# KiCad board Duet3_MB_6HC.kicad_pcb (continued)
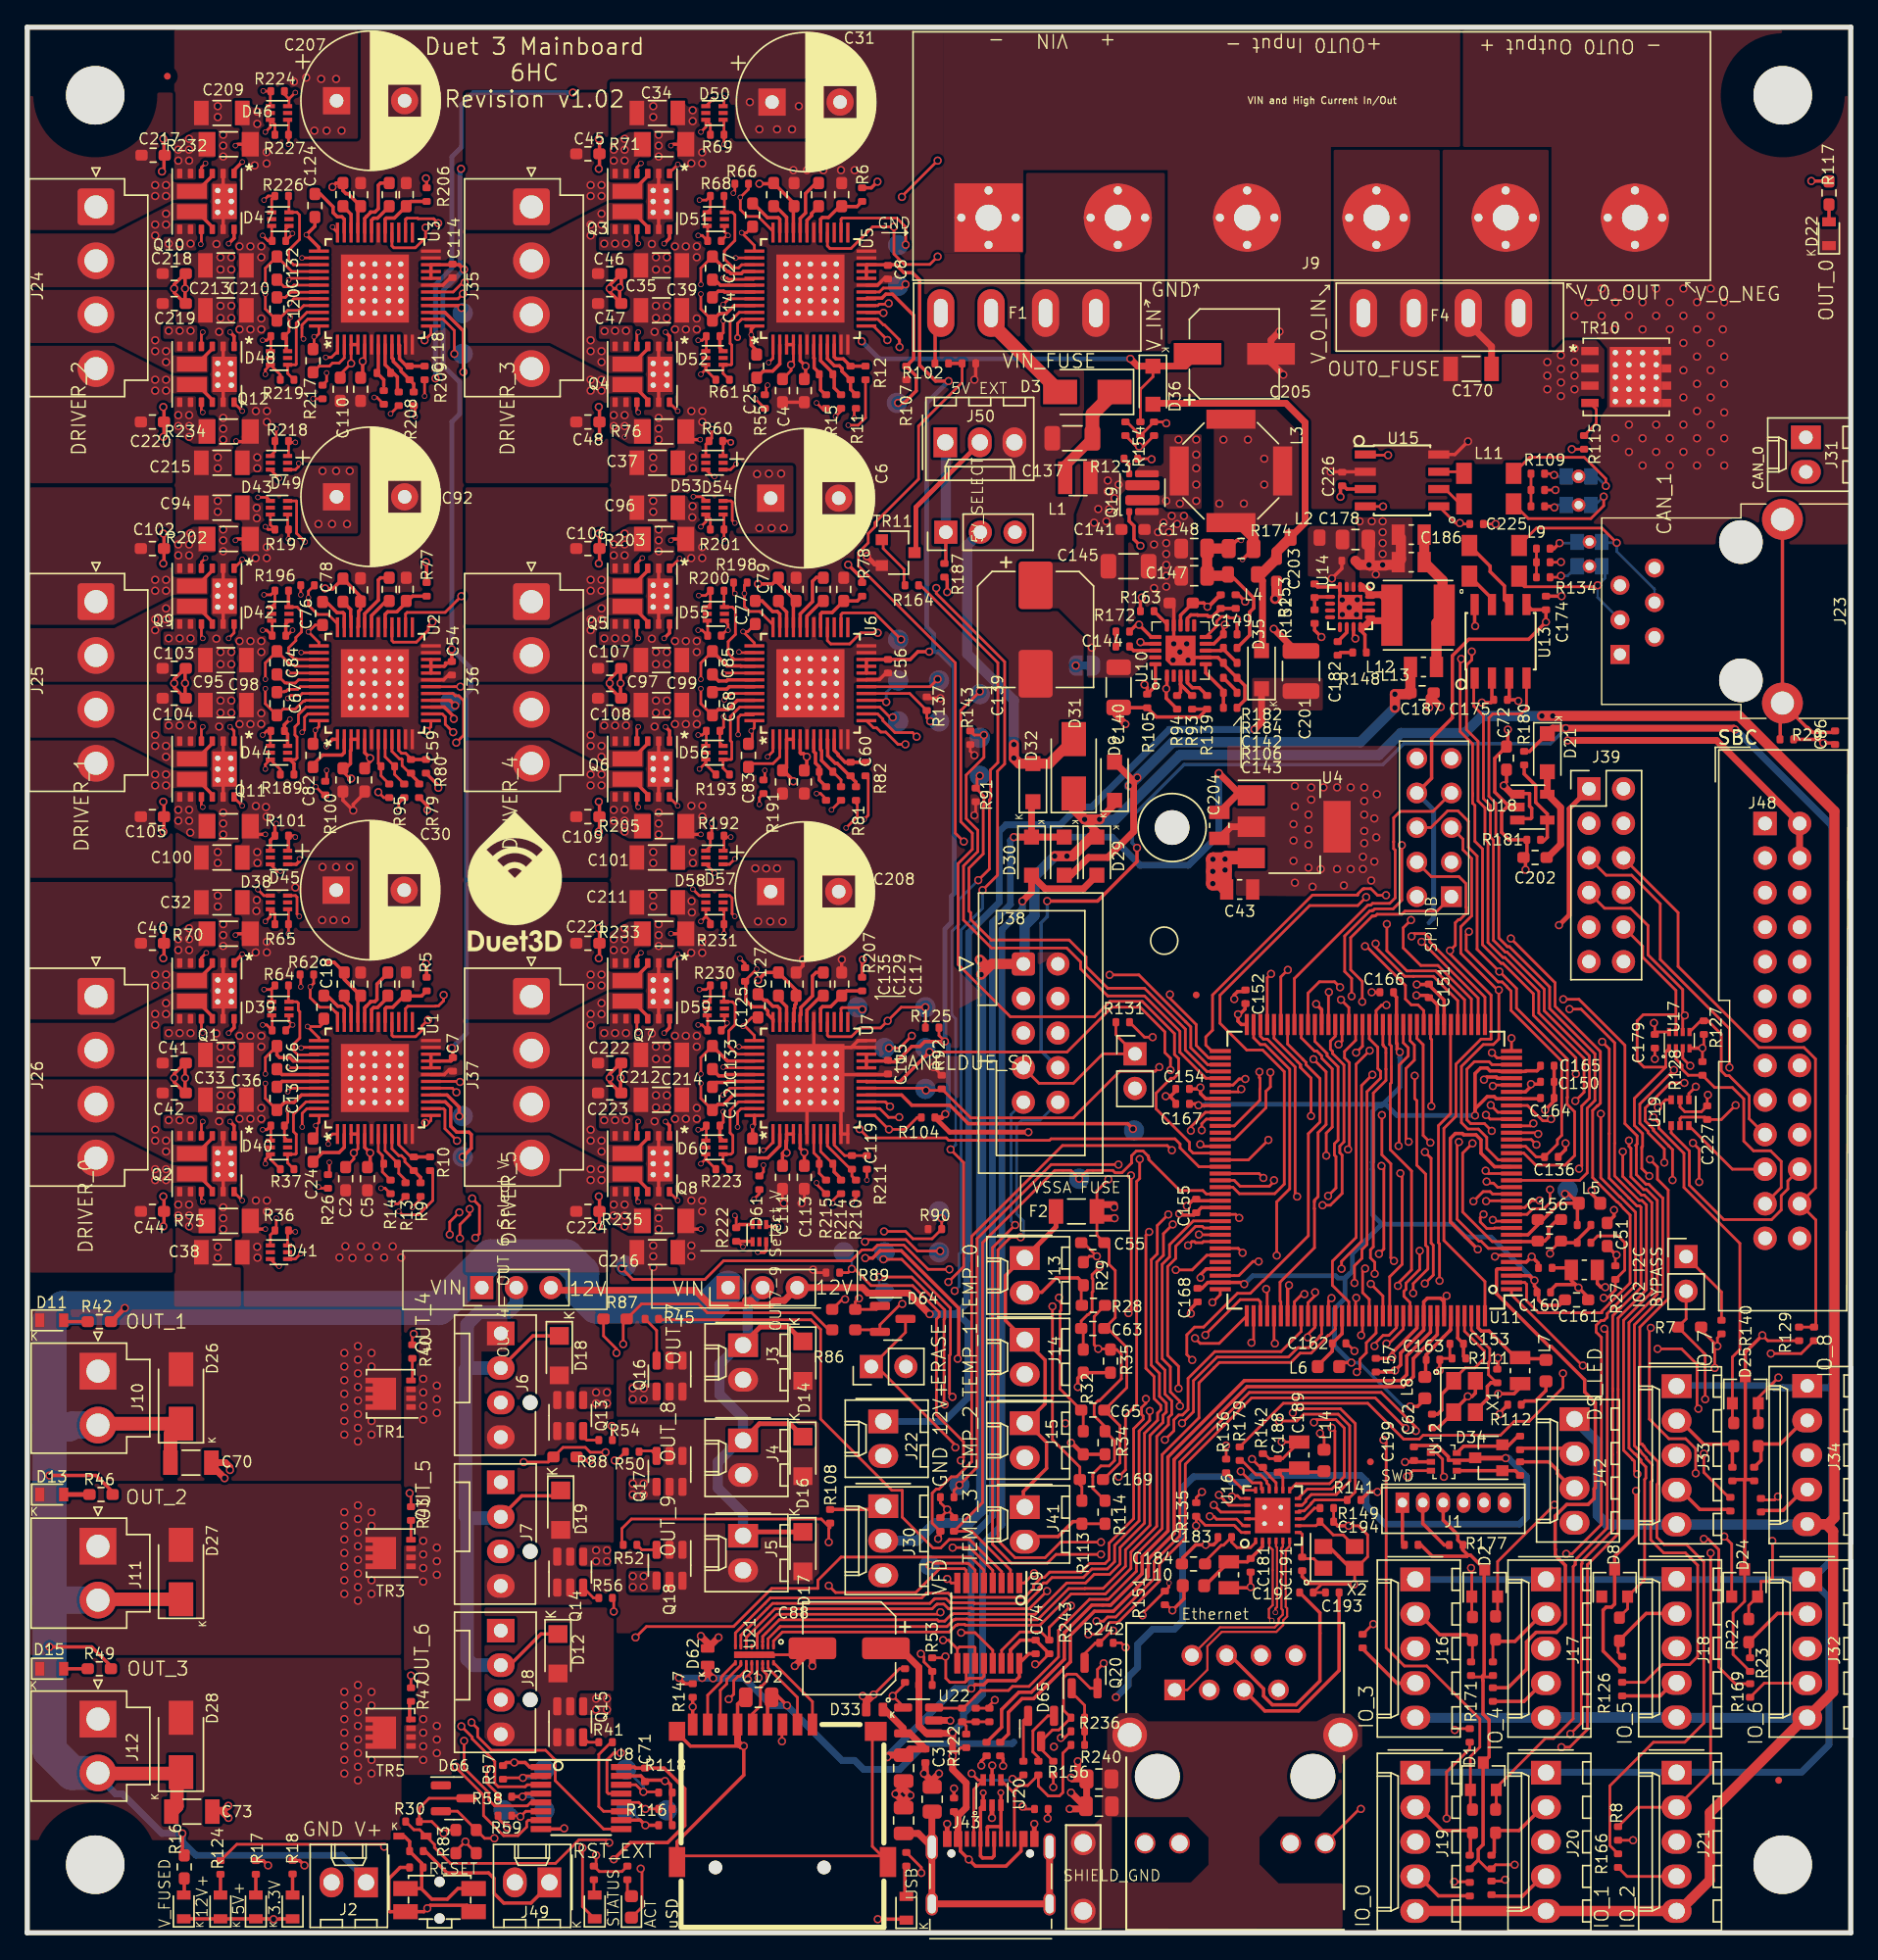
[diagram p0: board, top side]
## Library data of the parts (continued)
U22 = -: Part Number: AP22816AKEWT or AP2151WG-7 if APP22816KEWT unavailable
X1 = -: Part Number: ECS-120-10-33B-CKM-TR, FL1200112TR-ND
X2 = -: Part Number: or TSX-3225 25.0000MF10P-C0 (note requires different caps if changed)

## Footprints (pads in the part's own frame, mm; a bottom-side part is the same pattern mirrored in y, then rotated)
2.8mm_Spade_terminal
  round 1.8 hole 1.3: 1(0,2.5) 1(0,-2.5)
C_0402_1005Metric_Wbry
  rrect 0.5x0.6 smd: 1(-0.5,0) 2(0.5,0)
C_0603_1608Metric_Wbry
  rrect 0.9x0.8 smd: 1(-0.85,0) 2(0.85,0)
C_0805_2012Metric
  rrect 1x1.45 smd: 1(-0.95,0) 2(0.95,0)
C_0805_2012Metric#2
  rect 0.97x1.5 smd: 1(-0.955,0) 2(0.955,0)
C_1206_3216Metric
  rect 1.07x1.8 smd: 1(-1.505,0) 2(1.505,0)
C_1206_3216Metric#2
  rrect 1.15x1.8 smd: 1(-1.475,0) 2(1.475,0)
C_1210_3225Metric
  rrect 1.15x2.7 smd: 1(-1.475,0) 2(1.475,0)
CP_Elec_6.3x7.7
  rect 3.5x1.6 smd: 1(-2.7,0) 2(2.7,0)
CP_Elec_6.3x7.7#2
  rrect 3.5x1.6 smd: 1(-2.7,0) 2(2.7,0)
CP_Elec_8x10
  rrect 3.5x2.5 smd: 1(-3.25,0) 2(3.25,0)
CP_Radial_D10.0mm_P5.00mm
  rect 2x2 hole 1: 1(0,0)
  round 2 hole 1: 2(5,0)
Crystal_SMD_ECS-33B-4Pin_3.2x2.5mm
  rect 1.3x1.1 smd: 1(-1.15,-0.8) 2(1.15,-0.8) 3(1.15,0.8) 4(-1.15,0.8)
D_SMA
  rect 2.5x1.8 smd: 1(-2,0) 2(2,0)
D_SOD-123F
  rect 1.1x1.1 smd: 1(-1.4,0) 2(1.4,0)
DFN1610-2L
  rrect 0.625x1 smd: 1(-0.613,0) 2(0.613,0)
Diodes_PowerDI3333-8
  rrect 0.6x1 smd: (0.02,0.565) (0.02,-0.565) (0.73,0.565) (0.73,-0.565)
  rrect 0.7x0.42 smd: (1.5,0.975) (1.5,0.325) (1.5,-0.325) (1.5,-0.975) 1(-1.5,0.975) 2(-1.5,0.325) 3(-1.5,-0.325) 4(-1.5,-0.975)
  custom 2.25x2.37 smd: 5(0.455,0)
DMHT6016LFJ-13
  rrect 0.4x0.7 smd: 1(-2,-2.05) 2(-1.2,-2.05) 3(-0.4,-2.05) 4(0.4,-2.05) 5(1.2,-2.05) 6(2,-2.05) 7(2,2.05) 8(1.2,2.05) 9(0.4,2.05) 10(-0.4,2.05) 11(-1.2,2.05) 12(-2,2.05)
  rect 0.925x0.9 smd: 13(0.55,-0.75) 15(0.55,0.75)
  rect 2.2x1.1 smd: 13(1.1,-0.75) 15(1.1,0.75)
  rect 0.935x0.9 smd: 13(1.65,-0.75) 15(1.65,0.75)
  round 0.6 hole 0.4: 14(-1.8,0.8) 14(-1.8,0) 14(-1.75,-0.8) 14(-0.8,0.8) 14(-0.8,0) 14(-0.8,-0.8)
  rect 0.7x1.1 smd: 14(-1.75,0.65) 14(-1.75,-0.65) 14(-0.85,0.65) 14(-0.85,-0.65)
  rect 1.8x2.6 smd: 14(-1.3,0)
DO-219AB
  rect 1.3x1.4 smd: 1(-1.45,0) 2(1.45,0)
Fairchild_DualPower33-6_3x3mm
  rrect 0.35x0.35 smd: (-1.39,0.975) (-1.39,0.325) (-1.39,-0.325) (-1.39,-0.975) (1.39,0.975) (1.39,0.325) (1.39,-0.325) (1.39,-0.975)
  rrect 0.65x0.8 smd: (-0.55,0.5) (-0.55,-0.5) (0.55,0.5) (0.55,-0.5)
  rrect 0.52x0.45 smd: 1(-1.39,0.975) 4(1.39,0.975)
  rrect 0.52x1.75 smd: 2(-1.39,-0.325) 3(1.39,-0.325)
  rrect 0.75x2.52 smd: 5(-0.55,0) 6(0.55,0)
FanPinHeader_1x04_P2.54mm_Vertical
  round 1.1 hole 1.1 unplated: (5.08,2.16)
  rect 1.73x2.03 hole 1.02: 1(0,0)
  oval 1.73x2.03 hole 1.02: 2(2.54,0) 3(5.08,0) 4(7.62,0)
Fiducial_0.5mm_Mask1.5mm
  round 0.5 smd: (0,0)
Fuse_1206_3216Metric
  rect 1.07x1.8 smd: 1(-1.505,0) 2(1.505,0)
IDC-Header_2x05_P2.54mm_Vertical
  rrect 1.7x1.7 hole 1: 1(0,0)
  round 1.7 hole 1: 2(2.54,0) 3(0,-2.54) 4(2.54,-2.54) 5(0,-5.08) 6(2.54,-5.08) 7(0,-7.62) 8(2.54,-7.62) 9(0,-10.16) 10(2.54,-10.16)
IDC-Header_2x13_P2.54mm_Vertical
  rect 1.727x1.727 hole 1.016: 1(0,0)
  oval 1.727x1.727 hole 1.016: 2(2.54,0) 3(0,-2.54) 4(2.54,-2.54) 5(0,-5.08) 6(2.54,-5.08) 7(0,-7.62) 8(2.54,-7.62) 9(0,-10.16) 10(2.54,-10.16) 11(0,-12.7) 12(2.54,-12.7) 13(0,-15.24) 14(2.54,-15.24) 15(0,-17.78) 16(2.54,-17.78) 17(0,-20.32) 18(2.54,-20.32) 19(0,-22.86) 20(2.54,-22.86) 21(0,-25.4) 22(2.54,-25.4) 23(0,-27.94) 24(2.54,-27.94) 25(0,-30.48) 26(2.54,-30.48)
JST_VH_B2P-VH-B_1x02_P3.96mm_Vertical
  rect 2.7x2.7 hole 1.7: 1(0,0)
  round 2.7 hole 1.7: 2(3.96,0)
JST_VH_B4P-VH_1x04_P3.96mm_Vertical
  rrect 2.7x2.7 hole 1.7: 1(0,0)
  round 2.7 hole 1.7: 2(3.96,0) 3(7.92,0) 4(11.88,0)
JST_ZH_1x06_P1.5_B6B-ZR-SM4-TF
  rect 1x1.5 hole 0.7: 1(3.75,0)
  oval 1x1.5 hole 0.7: 2(2.25,0) 3(0.75,0) 4(-0.75,0) 5(-2.25,0) 6(-3.75,0)
KSZ8081RNA _QFN-24-1EP_4x4mm_P0.5mm_EP2.6x2.6mm
  rect 1x1 smd: (-0.6,0.6) (-0.6,-0.6) (0.6,0.6) (0.6,-0.6)
  rect 0.48x0.23 smd: 1(-1.86,1.25) 2(-1.86,0.75) 3(-1.86,0.25) 4(-1.86,-0.25) 5(-1.86,-0.75) 6(-1.86,-1.25) 13(1.86,-1.25) 14(1.86,-0.75) 15(1.86,-0.25) 16(1.86,0.25) 17(1.86,0.75) 18(1.86,1.25)
  rect 0.23x0.48 smd: 7(-1.25,-1.86) 8(-0.75,-1.86) 9(-0.25,-1.86) 10(0.25,-1.86) 11(0.75,-1.86) 12(1.25,-1.86) 19(1.25,1.86) 20(0.75,1.86) 21(0.25,1.86) 22(-0.25,1.86) 23(-0.75,1.86) 24(-1.25,1.86)
  round 0.6 hole 0.35: 25(-0.6,0.6) 25(-0.6,-0.6) 25(0.6,0.6) 25(0.6,-0.6)
  rect 2.6x2.6 smd: 25(0,0)
L_0603_1608Metric
  rrect 0.875x0.95 smd: 1(-0.787,0) 2(0.787,0)
L_0805_2012Metric
  rrect 0.875x1.2 smd: 1(-1.062,0) 2(1.062,0)
L_0805_2012Metric#2
  rect 0.97x1.5 smd: 1(-0.955,0) 2(0.955,0)
L_1008_2512Metric
  rect 1.05x2.4 smd: 1(-0.925,0) 2(0.925,0)
L_Wuerth_7440405xxxx
  rect 1.55x4.5 smd: 1(-1.925,0) 2(1.925,0)
L_Wuerth_WE-TPC-744071220
  rect 1.4x3.6 smd: 1(-3.8,0) 1(3.8,0)
  rect 3.6x1.4 smd: 1(0,3.8) 2(0,-3.8)
LED_0603_1608Metric
  rect 0.67x1 smd: 1(-0.875,0) 2(0.875,0)
LED_0603_1608Metric#2
  rrect 0.875x0.95 smd: 1(-0.787,0) 2(0.787,0)
LQFP-144_20x20mm_P0.5mm
  rect 1.55x0.3 smd: 1(-10.7,8.75) 2(-10.7,8.25) 3(-10.7,7.75) 4(-10.7,7.25) 5(-10.7,6.75) 6(-10.7,6.25) 7(-10.7,5.75) 8(-10.7,5.25) 9(-10.7,4.75) 10(-10.7,4.25) 11(-10.7,3.75) 12(-10.7,3.25) 13(-10.7,2.75) 14(-10.7,2.25) 15(-10.7,1.75) 16(-10.7,1.25) 17(-10.7,0.75) 18(-10.7,0.25) 19(-10.7,-0.25) 20(-10.7,-0.75) 21(-10.7,-1.25) 22(-10.7,-1.75) 23(-10.7,-2.25) 24(-10.7,-2.75) 25(-10.7,-3.25) 26(-10.7,-3.75) 27(-10.7,-4.25) 28(-10.7,-4.75) 29(-10.7,-5.25) 30(-10.7,-5.75) 31(-10.7,-6.25) 32(-10.7,-6.75) 33(-10.7,-7.25) 34(-10.7,-7.75) 35(-10.7,-8.25) 36(-10.7,-8.75) 73(10.7,-8.75) 74(10.7,-8.25) 75(10.7,-7.75) 76(10.7,-7.25) 77(10.7,-6.75) 78(10.7,-6.25) 79(10.7,-5.75) 80(10.7,-5.25) 81(10.7,-4.75) 82(10.7,-4.25) 83(10.7,-3.75) 84(10.7,-3.25) 85(10.7,-2.75) 86(10.7,-2.25) 87(10.7,-1.75) 88(10.7,-1.25) 89(10.7,-0.75) 90(10.7,-0.25) 91(10.7,0.25) 92(10.7,0.75) 93(10.7,1.25) 94(10.7,1.75) 95(10.7,2.25) 96(10.7,2.75) 97(10.7,3.25) 98(10.7,3.75) 99(10.7,4.25) 100(10.7,4.75) 101(10.7,5.25) 102(10.7,5.75) 103(10.7,6.25) 104(10.7,6.75) 105(10.7,7.25) 106(10.7,7.75) 107(10.7,8.25) 108(10.7,8.75)
  rect 0.3x1.55 smd: 37(-8.75,-10.7) 38(-8.25,-10.7) 39(-7.75,-10.7) 40(-7.25,-10.7) 41(-6.75,-10.7) 42(-6.25,-10.7) 43(-5.75,-10.7) 44(-5.25,-10.7) 45(-4.75,-10.7) 46(-4.25,-10.7) 47(-3.75,-10.7) 48(-3.25,-10.7) 49(-2.75,-10.7) 50(-2.25,-10.7) 51(-1.75,-10.7) 52(-1.25,-10.7) 53(-0.75,-10.7) 54(-0.25,-10.7) 55(0.25,-10.7) 56(0.75,-10.7) 57(1.25,-10.7) 58(1.75,-10.7) 59(2.25,-10.7) 60(2.75,-10.7) 61(3.25,-10.7) 62(3.75,-10.7) 63(4.25,-10.7) 64(4.75,-10.7) 65(5.25,-10.7) 66(5.75,-10.7) 67(6.25,-10.7) 68(6.75,-10.7) 69(7.25,-10.7) 70(7.75,-10.7) 71(8.25,-10.7) 72(8.75,-10.7) 109(8.75,10.7) 110(8.25,10.7) 111(7.75,10.7) 112(7.25,10.7) 113(6.75,10.7) 114(6.25,10.7) 115(5.75,10.7) 116(5.25,10.7) 117(4.75,10.7) 118(4.25,10.7) 119(3.75,10.7) 120(3.25,10.7) 121(2.75,10.7) 122(2.25,10.7) 123(1.75,10.7) 124(1.25,10.7) 125(0.75,10.7) 126(0.25,10.7) 127(-0.25,10.7) 128(-0.75,10.7) 129(-1.25,10.7) 130(-1.75,10.7) 131(-2.25,10.7) 132(-2.75,10.7) 133(-3.25,10.7) 134(-3.75,10.7) 135(-4.25,10.7) 136(-4.75,10.7) 137(-5.25,10.7) 138(-5.75,10.7) 139(-6.25,10.7) 140(-6.75,10.7) 141(-7.25,10.7) 142(-7.75,10.7) 143(-8.25,10.7) 144(-8.75,10.7)
MAX25206.7.8ATPA_VY
  rrect 0.9x0.3 smd: 1(-1.85,1) 2(-1.85,0.5) 3(-1.85,0) 4(-1.85,-0.5) 5(-1.85,-1) 11(1.85,-1) 12(1.85,-0.5) 13(1.85,0) 14(1.85,0.5) 15(1.85,1)
  rrect 0.3x0.9 smd: 6(-1,-1.85) 7(-0.5,-1.85) 8(0,-1.85) 9(0.5,-1.85) 10(1,-1.85) 16(1,1.85) 17(0.5,1.85) 18(0,1.85) 19(-0.5,1.85) 20(-1,1.85)
  custom 0.9x0.9 smd: 21(-0.5,0.5)
  rect 0.9x0.9 smd: 21(-0.5,-0.5) 21(0.5,0.5) 21(0.5,-0.5)
  custom 2.2x2.2 smd: 21(0,0)
MAX_TEMP_DB
  round 2.54 hole 2.54 unplated: (0,19.251)
  rect 1.524x1.524 hole 1: 1(-5.08,-1.27)
  round 1.524 hole 1: 2(-5.08,1.27) 3(-2.54,-1.27) 4(-2.54,1.27) 5(0,-1.27) 6(0,1.27) 7(2.54,-1.27) 8(2.54,1.27) 9(5.08,-1.27) 10(5.08,1.27)
MCCQ-122-minibladefuseholder
  oval 2x3.5 hole 1x2.1: 1(0,0) 1(3.7,0) 2(7.7,0) 2(11.4,0)
MountingHole_4.3mm_M4
  round 4.3 hole 4.3 unplated: (0,0)
NetTie-2_SMD_Pad0.5mm
  round 0.5 smd: 1(-0.5,0) 2(0.5,0)
NetTie-2_SMD_Pad0.25mm
  round 0.2 smd: 1(-0.25,0) 2(0.25,0)
PinHeader_1x02_P2.54mm_Vertical
  rect 1.7x1.7 hole 1: 1(0,0)
  oval 1.7x1.7 hole 1: 2(0,-2.54)
PinHeader_1x03_P2.54mm_Vertical
  rect 1.7x1.7 hole 1: 1(0,0)
  oval 1.7x1.7 hole 1: 2(0,-2.54) 3(0,-5.08)
PinHeader_2x06_P2.54mm_Vertical
  rect 1.7x1.7 hole 1: 1(0,0)
  oval 1.7x1.7 hole 1: 2(2.54,0) 3(0,-2.54) 4(2.54,-2.54) 5(0,-5.08) 6(2.54,-5.08) 7(0,-7.62) 8(2.54,-7.62) 9(0,-10.16) 10(2.54,-10.16) 11(0,-12.7) 12(2.54,-12.7)
POWERDFN_DFN5060
  rrect 1.7x2 smd: (-0.25,1.1) (-0.25,-1.1) (1.6,1.1) (1.6,-1.1)
  rect 1.27x0.61 smd: 1(-2.67,1.905) 2(-2.67,0.635) 3(-2.67,-0.635) 4(-2.67,-1.905)
  round 0.6 hole 0.4: 5(-0.8,1.8) 5(-0.8,0.9) 5(-0.8,0) 5(-0.8,-0.9) 5(-0.8,-1.8) 5(0.2,1.8) 5(0.2,0.9) 5(0.2,0) 5(0.2,-0.9) 5(0.2,-1.8) 5(1.2,1.8) 5(1.2,0.9) 5(1.2,0) 5(1.2,-0.9) 5(1.2,-1.8) 5(2.2,1.8) 5(2.2,0.9) 5(2.2,0) 5(2.2,-0.9) 5(2.2,-1.8)
  rect 3.81x4.42 smd: 5(0.69,0)
  rect 0.71x0.61 smd: 5(2.95,1.905) 5(2.95,0.635) 5(2.95,-0.635) 5(2.95,-1.905)
QFN-16-1EP_3x3mm_P0.5mm_EP1.8x1.8mm
  rect 0.73x0.73 smd: (-0.45,0.45) (-0.45,-0.45) (0.45,0.45) (0.45,-0.45)
  oval 0.75x0.3 smd: 1(-1.475,0.75) 2(-1.475,0.25) 3(-1.475,-0.25) 4(-1.475,-0.75) 9(1.475,-0.75) 10(1.475,-0.25) 11(1.475,0.25) 12(1.475,0.75)
  oval 0.3x0.75 smd: 5(-0.75,-1.475) 6(-0.25,-1.475) 7(0.25,-1.475) 8(0.75,-1.475) 13(0.75,1.475) 14(0.25,1.475) 15(-0.25,1.475) 16(-0.75,1.475)
  rect 1.8x1.8 smd: 17(0,0)
R_0402_1005Metric_Wbry
  rrect 0.5x0.6 smd: 1(-0.5,0) 2(0.5,0)
R_0603_1608Metric_Wbry
  rrect 0.9x0.8 smd: 1(-0.85,0) 2(0.85,0)
R_0805_2012Metric
  rrect 1.025x1.4 smd: 1(-0.912,0) 2(0.912,0)
R_1206_3216Metric_Pad1.24x1.80mm_HandSolder
  rect 1.245x1.8 smd: 1(-1.593,0) 2(1.593,0)
RJ11_6P6C_half_shield
  round 3.2 hole 3.2 unplated: (-5.08,0) (5.08,0)
  rect 1.4x1.4 hole 0.89: 1(-3.175,8.89)
  round 1.4 hole 0.89: 2(-1.905,6.35) 4(0.635,6.35) 5(1.905,8.89) 6(3.175,6.35)
  round 1.4 hole 0.8: 3(-0.635,8.89)
  round 3 hole 1.7: 7(-6.75,-3.05) 8(6.75,-3.05)
RJ45+MAG
  round 3.299 hole 3.299 unplated: (-5.715,0) (5.715,0)
  rect 1.524x1.524 hole 1.001: 1(4.44,-6.35)
  round 1.524 hole 1.001: 2(3.175,-8.89) 3(1.9,-6.35) 4(0.635,-8.89) 5(-0.64,-6.35) 6(-1.905,-8.89) 7(-3.18,-6.35) 8(-4.445,-8.89)
  round 1.524 hole 1.199: 9(6.624,4.9) 10(4.084,4.9) 11(-4.084,4.9) 12(-6.624,4.9)
  round 2.54 hole 1.75: 13(7.747,-3.051) 14(-7.747,-3.048)
SC-70-6L
  rect 0.85x0.4 smd: 1(-0.925,0.65) 2(-0.925,0) 3(-0.925,-0.65) 4(0.925,-0.65) 5(0.925,0) 6(0.925,0.65)
screwt-barrier-9.5mm-1x6
  round 1 hole 0.6: 1(21.75,0) 1(23.75,2) 1(23.75,-2) 1(25.75,0) 2(12.25,0) 2(14.25,2) 2(14.25,-2) 2(16.25,0) 3(2.75,0) 3(4.75,2) 3(4.75,-2) 3(6.75,0) 4(-6.75,0) 4(-4.75,2) 4(-4.75,-2) 4(-2.75,0) 5(-16.25,0) 5(-14.25,2) 5(-14.25,-2) 5(-12.25,0) 6(-25.75,0) 6(-23.75,2) 6(-23.75,-2) 6(-21.75,0)
  rect 5x5 hole 1.9: 1(23.75,0) 1(23.75,0)
  round 3 hole 1.9: 2(14.25,0) 3(4.75,0) 4(-4.75,0) 5(-14.25,0) 6(-23.75,0)
  round 5 hole 1.9: 2(14.25,0) 3(4.75,0) 4(-4.75,0) 5(-14.25,0) 6(-23.75,0)
SJ_Bridged
  round 1 hole 0.6: (0,0)
  rect 1.2x1 smd: 1(0,0.9) 2(0,-0.9)
SOD-523F
  rect 0.8x0.5 smd: 1(-1,0) 2(1,0)
SOIC-8_3.9x4.9mm_P1.27mm
  rect 1.55x0.6 smd: 1(-2.7,1.905) 2(-2.7,0.635) 3(-2.7,-0.635) 4(-2.7,-1.905) 5(2.7,-1.905) 6(2.7,-0.635) 7(2.7,0.635) 8(2.7,1.905)
SolderJumper-2_P1.3mm_Bridged_RoundedPad1.0x1.5mm
  custom 1x1.5 smd: 1(-0.65,0) 2(0.65,0)
SOT-23
  rect 0.9x0.8 smd: 1(-1,0.95) 2(-1,-0.95) 3(1,0)
SOT-23#2
  rrect 1.475x0.6 smd: 1(-0.938,0.95) 2(-0.938,-0.95) 3(0.938,0)
SOT-23-5
  rect 1.06x0.65 smd: 1(-1.1,0.95) 2(-1.1,0) 3(-1.1,-0.95) 4(1.1,-0.95) 5(1.1,0.95)
SOT-23-5#2
  rrect 1.325x0.6 smd: 1(-1.137,0.95) 2(-1.137,0) 3(-1.137,-0.95) 4(1.137,-0.95) 5(1.137,0.95)
SOT-23-6
  rrect 1.325x0.6 smd: 1(-1.137,0.95) 2(-1.137,0) 3(-1.137,-0.95) 4(1.137,-0.95) 5(1.137,0) 6(1.137,0.95)
SOT-23_AO3400A
  rect 0.9x0.8 smd: 1(-1.2,0.95) 2(-1.2,-0.95) 3(1.2,0)
SOT-223
  rect 2x1.5 smd: 1(-3.15,2.3) 2(-3.15,0) 3(-3.15,-2.3)
  rect 2x3.8 smd: 4(3.15,0)
SOT-363
  rect 0.42x0.6 smd: 1(-0.65,-0.95) 2(0,-0.95) 3(0.65,-0.95) 4(0.65,0.95) 5(0,0.95) 6(-0.65,0.95)
SOT-363_SC-70-6
  rect 0.65x0.4 smd: 1(-0.95,0.65) 2(-0.95,0) 3(-0.95,-0.65) 4(0.95,-0.65) 5(0.95,0) 6(0.95,0.65)
SOT-563
  rect 0.67x0.3 smd: 1(-0.635,0.5) 2(-0.635,0) 3(-0.635,-0.5) 4(0.635,-0.5) 5(0.635,0) 6(0.635,0.5)
SW_SIDE_1_lugs
  round 0.762 hole 0.762 unplated: (0,1.35) (0,-1.35)
  rect 1.8x1.1 smd: 1(-2.5,-0.85) 2(2.5,-0.85) 3(2.5,0.85) 4(-2.5,0.85)
TestPoint_Pad_D1.5mm
  round 1.5 smd: 1(0,0)
TMC5160-TA
  rect 1.462x0.239 smd: 1(-4.115,2.75) 2(-4.115,2.25) 3(-4.115,1.75) 4(-4.115,1.25) 5(-4.115,0.75) 6(-4.115,0.25) 7(-4.115,-0.25) 8(-4.115,-0.75) 9(-4.115,-1.25) 10(-4.115,-1.75) 11(-4.115,-2.25) 12(-4.115,-2.75) 25(4.115,-2.75) 26(4.115,-2.25) 27(4.115,-1.75) 28(4.115,-1.25) 29(4.115,-0.75) 30(4.115,-0.25) 31(4.115,0.25) 32(4.115,0.75) 33(4.115,1.25) 34(4.115,1.75) 35(4.115,2.25) 36(4.115,2.75)
  rect 0.239x1.462 smd: 13(-2.75,-4.115) 14(-2.25,-4.115) 15(-1.75,-4.115) 16(-1.25,-4.115) 17(-0.75,-4.115) 18(-0.25,-4.115) 19(0.25,-4.115) 20(0.75,-4.115) 21(1.25,-4.115) 22(1.75,-4.115) 23(2.25,-4.115) 24(2.75,-4.115) 37(2.75,4.115) 38(2.25,4.115) 39(1.75,4.115) 40(1.25,4.115) 41(0.75,4.115) 42(0.25,4.115) 43(-0.25,4.115) 44(-0.75,4.115) 45(-1.25,4.115) 46(-1.75,4.115) 47(-2.25,4.115) 48(-2.75,4.115)
  round 0.6 hole 0.4: EPAD(-1.8,1.8) EPAD(-1.8,0.9) EPAD(-1.8,0) EPAD(-1.8,-1) EPAD(-1.8,-1.9) EPAD(-0.9,1.8) EPAD(-0.9,0.9) EPAD(-0.9,0) EPAD(-0.9,-1) EPAD(-0.9,-1.9) EPAD(0,1.8) EPAD(0,0.9) EPAD(0,0) EPAD(0,-1) EPAD(0,-1.9) EPAD(0.9,1.8) EPAD(0.9,0.9) EPAD(0.9,0) EPAD(0.9,-1) EPAD(0.9,-1.9) EPAD(1.8,1.8) EPAD(1.8,0.9) EPAD(1.8,0) EPAD(1.8,-1) EPAD(1.8,-1.9)
  rect 2x2 smd: EPAD(-1.2,1.2) EPAD(-1.2,-1.2) EPAD(1.2,1.2) EPAD(1.2,-1.2)
  rect 5.004x5.004 smd: EPAD(0,0)
TSSOP-16_4.4x5mm_P0.65mm
  rect 1.5x0.45 smd: 1(-2.95,2.275) 2(-2.95,1.625) 3(-2.95,0.975) 4(-2.95,0.325) 5(-2.95,-0.325) 6(-2.95,-0.975) 7(-2.95,-1.625) 8(-2.95,-2.275) 9(2.95,-2.275) 10(2.95,-1.625) 11(2.95,-0.975) 12(2.95,-0.325) 13(2.95,0.325) 14(2.95,0.975) 15(2.95,1.625) 16(2.95,2.275)
UDFN-16-1EP_1.35x3.3_P0.4_2Oz
  rrect 0.39x0.2 smd: 1(-0.585,1.4) 2(-0.585,1) 3(-0.585,0.6) 4(-0.585,0.2) 5(-0.585,-0.2) 6(-0.585,-0.6) 7(-0.585,-1) 8(-0.585,-1.4) 9(0.585,-1.4) 10(0.585,-1) 11(0.585,-0.6) 12(0.585,-0.2) 13(0.585,0.2) 14(0.585,0.6) 15(0.585,1) 16(0.585,1.4)
  rect 0.4x0.55 smd: PAD(0,1.2) PAD(0,0.4) PAD(0,-0.4) PAD(0,-1.2)
  custom 0.48x3 smd: PAD(0,0)
USB_C_Receptacle_Valcon_CSP-USC16-TR
  round 0.6 hole 0.6 unplated: (-2.89,0) (2.89,0)
  rect 0.6x1.14 smd: A1(-3.2,1.07) A4(-2.4,1.07) A9(2.4,1.07) A12(3.2,1.07) B1(3.2,1.07) B4(2.4,1.07) B9(-2.4,1.07) B12(-3.2,1.07)
  rect 0.3x1.14 smd: A5(-1.25,1.07) A6(-0.25,1.07) A7(0.25,1.07) A8(1.25,1.07) B5(1.75,1.07) B6(0.75,1.07) B7(-0.75,1.07) B8(-1.75,1.07)
  oval 0.9x2 hole 0.6x1.7: S1(-4.325,0.48) S1(4.325,0.48)
  oval 0.9x1.7 hole 0.6x1.4: S1(-4.325,-3.7) S1(4.325,-3.7)
uSD_SKT
  round 1 hole 1 unplated: (-4.93,0) (3.051,0)
  rect 0.701x1.6 smd: 1(2.2,10.5) 2(1.1,10.5) 3(0,10.5) 4(-1.1,10.5) 5(-2.2,10.5) 6(-3.299,10.5) 7(-4.399,10.5) 8(-5.499,10.5) 9(-6.599,10.5)
  rect 1.199x1.4 smd: G(-7.75,10)
  rect 1.199x2.2 smd: G(-7.75,0.399) G(7.75,0.399)
  rect 1.6x1.4 smd: G(6.85,10)
Wurth_61900211121-1x02_P2.54mm_Vertical-(Molex_KK-254_AE-6410-02Acompatible)
  rect 1.74x2.2 hole 1.2: 1(-1.27,0)
  oval 1.74x2.2 hole 1.2: 2(1.27,0)
Wurth_61900211121-1x02_P2.54mm_Vertical-(Molex_KK-254_AE-6410-02Acompatible)#2
  rect 1.74x2.2 hole 1: 1(-1.27,0)
  oval 1.74x2.2 hole 1: 2(1.27,0)
Wurth_61900311121-1x03_P2.54mm_Vertical(Molex_KK-254_AE-6410-03A_Compatible)
  rect 1.74x2.2 hole 1.2: 1(-2.54,0)
  oval 1.74x2.2 hole 1.2: 2(0,0) 3(2.54,0)
Wurth_61900411121-1x04_P2.54mm_Vertical(Molex_KK-254_AE-6410-04A_Compatible)
  rect 1.74x2.2 hole 1.2: 1(-3.81,0)
  oval 1.74x2.2 hole 1.2: 2(-1.27,0) 3(1.27,0) 4(3.81,0)
Wurth_61900511121-1x05_P2.54mm_Vertical(Molex_KK-254_AE-6410-05A_Compatibe)
  rect 1.74x2.2 hole 1.2: 1(-5.08,0)
  oval 1.74x2.2 hole 1.2: 2(-2.54,0) 3(0,0) 4(2.54,0) 5(5.08,0)
Wurth_61900511121-1x05_P2.54mm_Vertical(Molex_KK-254_AE-6410-05A_Compatibe)#2
  rect 1.74x2.2 hole 1: 1(-5.08,0)
  oval 1.74x2.2 hole 1: 2(-2.54,0) 3(0,0) 4(2.54,0) 5(5.08,0)
Wurth_CM_Choke_1812_744235nnn
  rect 1.15x1.55 smd: 1(-1.825,-1.125) 2(1.825,-1.125) 3(1.825,1.125) 4(-1.825,1.125)
X2-DFN2010-8
  rect 0.6x0.3 smd: 1(-0.6,0.75) 2(-0.6,0.25) 3(-0.6,-0.25) 4(-0.6,-0.75) 5(0.6,-0.75) 6(0.6,-0.25) 7(0.6,0.25) 8(0.6,0.75)

## Nets
3.3V_EXT: D21.1 J16.1 J17.1 J18.1 J19.1 J20.1 J21.1 J32.1 J33.1 J34.1 J38.8 R180.1
5V_EXT: D9.1 D29.1 D31.1 J16.5 J17.5 J18.5 J19.5 J20.5 J21.5 J30.2 J32.5 J33.5 J34.5 J38.1 J42.1 R187.1
5V_EXT_INPUT: J50.1 JP9.1 R187.2
5V_INT: C1.1 C3.1 C71.1 C72.1 C74.1 C175.1 C199.1 C204.1 C226.1 D10.1 D30.1 D32.1 D33.1 D34.3 R17.1 R152.1 U4.1 U8.16 U9.16 U12.5 U13.3 U15.3 U18.1 U18.3 U22.5
5V_SBC: J48.2 J48.4 JP9.3
12V_EXT: C201.1 D35.1 J22.1 J29.3 J52.3
12V_INT: C203.2 D35.2 D36.2 L2.2 L4.1
12V_MON: C206.1 R154.2 R155.1 U11.27
12V_VG: C2.2 C4.2 C49.2 C50.2 C110.2 C111.2 C205.1 D36.1 R124.1 R154.1 U1.3 U1.4 U2.3 U2.4 U3.3 U3.4 U5.3 U5.4 U6.3 U6.4 U7.3 U7.4
+3.3V: C7.2 C8.2 C43.1 C54.2 C56.2 C61.1 C114.2 C115.2 C150.1 C151.1 C152.1 C154.1 C155.1 C157.1 C159.1 C172.1 C174.1 C179.1 C225.1 D1.3 D2.3 D8.3 D24.3 D25.3 D62.1 D64.3 D66.3 J1.3 J27.4 J28.8 J39.1 JP2.1 L5.1 L10.1 L14.2 R2.2 R4.2 R8.2 R18.1 R21.1 R23.2 R30.2 R72.2 R74.2 R83.2 R87.2 R88.2 R104.2 R112.1 R125.2 R129.1 R131.1 R132.1 R136.1 R141.1 R147.2 R150.1 R151.1 R158.2 R160.2 R162.2 R177.2 R178.2 U1.20 U1.21 U1.22 U2.20 U2.21 U2.22 U3.20 U3.21 U3.22 U4.3 U5.20 U5.21 U5.22 U6.20 U6.21 U6.22 U7.20 U7.21 U7.22 U11.5 U11.30 U11.43 U11.72 U11.80 U11.96 U11.134 U13.5 U15.5 U17.8 U21.12
/Comms/VDD_1V2: C183.1 C184.1 U16.1
/Comms/VDDA_3V3: C180.1 C181.1 L10.2 U16.2
/Power/3V3_EXT_ADJ: R180.2 R181.1 U18.4
/Power/3V3_EXT_OUT: C202.1 D21.2 U18.5
/Power/5V_BST: C182.2 U14.10
/Power/5V_common: C187.1 D9.2 D10.2 L13.1
/Power/5V_FB: R152.2 R153.1 U14.5
/Power/5V_SELECT: D31.2 D32.2 JP9.2
/Power/5V_VCC: C176.1 C178.1 L2.1 U14.2 U14.3 U14.11
/Power/5V_VSW: L12.2 R148.2 U14.1 U14.12 U14.13 U14.16
/Power/12v_bias: C229.1 R94.1 R146.2 U10.1 U10.13
/Power/12v_bst: C144.1 U10.18
/Power/12v_comp: C143.1 R106.2 U10.6
/Power/12v_comp_cap: C142.1 R106.1
/Power/12v_cs: C149.2 L3.1 R174.1 U10.10
/Power/12V_dh: R123.1 U10.17
/Power/12v_dhg: Q19.4 R123.2
/Power/12v_dl: R163.1 U10.15
/Power/12v_dlg: Q19.1 R163.2
/Power/12v_en: JP1.1 R105.1 U10.20
/Power/12v_fb: R182.2 R184.1 U10.8
/Power/12v_fsync: R93.1 R94.2 U10.3
/Power/12v_lx: L3.2 Q19.3 Q19.5 R172.2 U10.16
/Power/12v_osc: R139.1 U10.4
/Power/12v_out: C147.1 C148.1 C149.1 L4.2 R174.2 R182.1 U10.9
/Power/12v_sup: C139.1 C140.1 C141.1 C145.1 JP1.2 L1.1 Q19.6 U10.19
/Power/12v_vin: C137.1 D3.1 L1.2
/Processor/VDDCORE: C160.1 C161.1 C164.1 C165.1 C166.1 C167.1 C168.1 L6.2 L8.2 U11.3 U11.29 U11.33 U11.50 U11.81 U11.107
/Processor/VDDPLL: C162.1 L6.1 U11.123
/Processor/VDDPLLUSB: C158.1 L7.1 U11.143
/Processor/VDDUTMIC: C163.1 L8.1 U11.139
GND: C1.2 C2.1 C3.2 C4.1 C5.1 C6.1 C7.1 C8.1 C9.1 C10.1 C15.2 C28.2 C29.2 C30.2 C31.2 C32.1 C33.1 C34.1 C35.1 C36.1 C37.1 C38.1 C39.1 C40.1 C41.1 C42.1 C43.2 C44.1 C45.1 C46.1 C47.1 C48.1 C49.1 C50.1 C51.2 C52.1 C53.1 C54.1 C56.1 C57.1 C58.1 C61.2 C62.2 C64.2 C66.2 C70.2 C71.2 C72.2 C73.2 C74.2 C86.2 C87.2 C88.2 C91.2 C92.2 C93.2 C94.1 C95.1 C96.1 C97.1 C98.1 C99.1 C100.1 C101.1 C102.1 C103.1 C104.1 C105.1 C106.1 C107.1 C108.1 C109.1 C110.1 C111.1 C112.1 C113.1 C114.1 C115.1 C116.1 C117.1 C134.2 C135.2 C136.2 C137.2 C139.2 C140.2 C141.2 C145.2 C147.2 C148.2 C150.2 C151.2 C152.2 C153.2 C154.2 C155.2 C157.2 C158.2 C159.2 C160.2 C161.2 C162.2 C163.2 C164.2 C165.2 C166.2 C167.2 C168.2 C170.2 C171.2 C172.2 C173.2 C174.2 C175.2 C176.2 C177.1 C178.2 C179.2 C180.2 C181.2 C183.2 C184.2 C185.2 C186.2 C187.2 C188.2 C189.2 C190.1 C191.1 C192.2 C193.2 C194.1 C195.1 C199.2 C201.2 C202.2 C203.1 C204.2 C205.2 C206.2 C207.2 C208.2 C209.1 C210.1 C211.1 C212.1 C213.1 C214.1 C215.1 C216.1 C217.1 C218.1 C219.1 C220.1 C221.1 C222.1 C223.1 C224.1 C225.2 C226.2 C227.2 C229.2 D4.1 D5.1 D6.1 D23.1 D33.2 D37.1 D62.2 J1.6 J2.2 J6.1 J7.1 J8.1 J9.1 J9.3 J16.3 J17.3 J18.3 J19.3 J20.3 J21.3 J22.2 J27.6 J27.G J28.2 J30.3 J32.3 J33.3 J34.3 J38.2 J39.2 J39.12 J42.4 J43.A1 J43.A12 J43.B1 J43.B12 J48.6 J48.9 J48.14 J48.20 J48.25 J49.2 J50.3 JP4.2 NT1.2 NT2.2 NT3.2 NT4.2 NT5.2 NT6.2 NT7.2 NT8.2 NT9.2 NT10.2 NT11.2 NT12.2 NT13.2 NT14.2 NT15.1 Q13.4 Q14.4 Q15.4 Q16.4 Q17.4 Q18.4 Q19.2 R20.2 R39.1 R44.1 R48.1 R51.1 R53.1 R57.1 R58.1 R59.1 R70.1 R71.1 R75.1 R76.1 R89.2 R90.2 R91.2 R92.2 R93.2 R103.2 R105.2 R107.2 R111.1 R116.1 R118.1 R119.2 R127.2 R128.2 R135.2 R137.2 R138.2 R139.2 R142.2 R143.1 R145.2 R149.2 R153.2 R155.2 R156.1 R181.2 R188.2 R202.1 R203.1 R204.1 R205.1 R232.1 R233.1 R234.1 R235.1 R237.2 R241.2 R242.2 R243.1 R245.2 S1.1 S1.2 TR1.1 TR1.2 TR1.3 TR3.1 TR3.2 TR3.3 TR5.1 TR5.2 TR5.3 TR10.1 TR10.2 TR10.3 TR11.2 U1.6 U1.11 U1.12 U1.19 U1.23 U1.24 U1.30 U1.EPAD U2.6 U2.11 U2.12 U2.19 U2.23 U2.24 U2.30 U2.EPAD U3.6 U3.11 U3.12 U3.19 U3.23 U3.24 U3.30 U3.EPAD U4.2 U4.4 U5.6 U5.11 U5.12 U5.19 U5.23 U5.24 U5.30 U5.EPAD U6.6 U6.11 U6.12 U6.19 U6.23 U6.24 U6.30 U6.EPAD U7.6 U7.11 U7.12 U7.19 U7.23 U7.24 U7.30 U7.EPAD U8.1 U8.8 U8.15 U9.1 U9.8 U9.15 U10.14 U10.21 U11.44 U11.61 U11.95 U11.115 U11.135 U11.138 U12.2 U13.2 U13.8 U14.4 U14.14 U14.15 U14.17 U15.2 U15.8 U16.22 U16.25 U17.4 U18.2 U19.2 U20.2 U21.PAD U22.2 X1.2 X1.4 X2.2 X2.4
GNDA: C142.2 C143.2 NT15.2 R184.2 U10.7
VBUS: C15.1 C88.1 D29.2 D30.2 J43.A4 J43.A9 J43.B4 J43.B9 R122.1 R130.1 R245.1 U20.5 U22.1
VBUS_DETECT: C171.1 R119.1 R122.2 R244.1
VIN_POWER_MON: C136.1 R102.2 R103.1 U11.22
VSSA: F2.1 J13.1 J14.1 J15.1 J41.1 R27.1 R176.2
VSSA_MON: C51.1 R27.2 U11.19
/Comms/CAN0_H_TR: JP3.1 R109.1
/Comms/CAN0_L_TR: JP6.1 R110.2
/Comms/can0_term_c: C190.2 R109.2 R110.1
/Comms/CAN0H_C: L11.4 U15.7
/Comms/CAN0L_C: L11.1 U15.6
/Comms/CAN1_H_TR: JP8.1 R134.2
/Comms/CAN1_L_TR: JP7.1 R133.1
/Comms/can1_term_c: C177.2 R133.2 R134.1
/Comms/CAN1H_C: L9.1 U13.7
/Comms/CAN1L_C: L9.4 U13.6
/Comms/cc1d: D65.2 R183.1
/Comms/cc2d: D65.1 R144.1
/Comms/CLK: J27.5 U21.14
/Comms/CMD: J27.3 U21.11
/Comms/DAT0: J27.7 U21.10
/Comms/DAT1: J27.8 U21.9
/Comms/DAT2: J27.1 U21.16
/Comms/DAT3: J27.2 U21.15
/Comms/LED0: J46.10 R151.2 U16.23
/Comms/LEDG_A: J46.9 R150.2
/Comms/LEDY_K: J46.11 R188.1
/Comms/phy_vddio: C188.1 C189.1 L14.1 U16.14
/Comms/q20b: Q20.1 R236.2 R238.1 R240.1
/Comms/RD+: J46.3 U16.4
/Comms/RD-: J46.6 U16.3
/Comms/REF_CLK: R179.2 U16.16
/Comms/REXT: R149.1 U16.9
/Comms/SD_cd: J27.9 R147.1 U21.13
/Comms/SHIELD_GND: C195.2 J45.1 J46.8 J46.13 J46.14 R156.2
/Comms/TD+: J46.1 U16.6
/Comms/TD-: J46.2 U16.5
/Comms/USBshield: C173.1 J43.S1 R237.1
/Comms/XI: C194.2 U16.8 X2.3
/Comms/XO: C191.2 U16.7 X2.1
/Headers/CAN_SHD_GND: C86.1 J23.7 J23.8 R20.1
/Headers/out9buff: J30.1 R108.2
/MOSFET outputs/out4_g: Q13.3 R54.1
/MOSFET outputs/out5_g: Q14.3 R56.1
/MOSFET outputs/out6_g: Q15.3 R41.1
/MOSFET outputs/out7_g: Q16.3 R45.1
/MOSFET outputs/out8_g: Q17.3 R50.1
/MOSFET outputs/out9_g: Q18.3 R52.1
/MOSFET outputs/TR1_G: R40.1 TR1.4
/MOSFET outputs/TR3_G: R43.1 TR3.4
/MOSFET outputs/TR5_G: R47.1 TR5.4
/MOSFET outputs/TR10_G: R115.1 TR10.4
/MOSFET outputs/U12_OUTA: D34.2 R186.2 U12.6
/MOSFET outputs/U12_OUTB: D34.1 R185.2 U12.4
/Power/5_VOUT: C185.1 C186.1 L12.1 L13.2
/Power/enbk: R145.1 R146.1 U10.12
/Power/TR11_G: R164.1 TR11.1
/Processor/io0_out: R168.1 U11.53
/Processor/io1_out: R170.1 U11.78
/Processor/io2_out: R166.1 U11.47
/Processor/io3_out: R165.1 U11.91
/Processor/io4_out: R171.2 U11.4
/Processor/io5_out: R126.1 U11.63
/Processor/io6_out: R169.1 U11.102
/Processor/io7_out: R173.2 U11.127
/Processor/io8_out: R167.1 U11.6
/Processor/NC_JSEL: U11.104
/Processor/NC_TST: U11.85
/Processor/rst: C64.1 D20.1 R31.2 S1.3 S1.4
/Processor/VBG: C153.1 R111.2 U11.140
/Processor/XIN: C66.1 U11.142 X1.3
/Processor/XOUT: C62.1 U11.141 X1.1
/Stepper Driver & Endstops/D0_5VOUT: C5.2 R5.1 U1.5
/Stepper Driver & Endstops/D0_CA1: C26.2 U1.42
/Stepper Driver & Endstops/D0_CA2: C18.2 U1.35
/Stepper Driver & Endstops/D0_CB1: C24.2 U1.2
/Stepper Driver & Endstops/D0_CB2: C13.2 U1.43
/Stepper Driver & Endstops/D0_CPI: C22.2 U1.31
/Stepper Driver & Endstops/D0_CPO: C22.1 U1.32
/Stepper Driver & Endstops/D0_HA1: D39.4 R63.1 U1.41
/Stepper Driver & Endstops/D0_HA2: D38.6 R62.1 U1.36
/Stepper Driver & Endstops/D0_HAG1: D39.3 Q1.12 R63.2
/Stepper Driver & Endstops/D0_HAG2: D38.1 Q1.1 R62.2
/Stepper Driver & Endstops/D0_HB1: D41.4 R26.1 U1.1
/Stepper Driver & Endstops/D0_HB2: D40.6 R25.1 U1.44
/Stepper Driver & Endstops/D0_HBG1: D41.3 Q2.12 R26.2
/Stepper Driver & Endstops/D0_HBG2: D40.1 Q2.1 R25.2
/Stepper Driver & Endstops/D0_LA1: D39.6 R64.1 U1.39
/Stepper Driver & Endstops/D0_LA2: D38.4 R65.1 U1.38
/Stepper Driver & Endstops/D0_LAG1: D39.1 Q1.9 R64.2
/Stepper Driver & Endstops/D0_LAG2: D38.3 Q1.4 R65.2
/Stepper Driver & Endstops/D0_LB1: D41.6 R36.1 U1.47
/Stepper Driver & Endstops/D0_LB2: D40.4 R37.1 U1.46
/Stepper Driver & Endstops/D0_LBG1: D41.1 Q2.9 R36.2
/Stepper Driver & Endstops/D0_LBG2: D40.3 Q2.4 R37.2
/Stepper Driver & Endstops/D0_SRAG: NT5.1 R14.2
/Stepper Driver & Endstops/D0_SRAH: C16.2 R13.1 U1.8
/Stepper Driver & Endstops/D0_SRAL: C16.1 R14.1 U1.7
/Stepper Driver & Endstops/D0_SRAT: Q1.5 Q1.6 Q1.7 Q1.8 R13.2 R70.2
/Stepper Driver & Endstops/D0_SRBG: NT7.1 R10.2
/Stepper Driver & Endstops/D0_SRBH: C11.2 R9.1 U1.9
/Stepper Driver & Endstops/D0_SRBL: C11.1 R10.1 U1.10
/Stepper Driver & Endstops/D0_SRBT: Q2.5 Q2.6 Q2.7 Q2.8 R9.2 R75.2
/Stepper Driver & Endstops/D0_VCC: C9.2 R5.2 U1.29
/Stepper Driver & Endstops/D0_VCP: C20.1 U1.34
/Stepper Driver & Endstops/D1_5VOUT: C52.2 R77.1 U2.5
/Stepper Driver & Endstops/D1_CA1: C84.2 U2.42
/Stepper Driver & Endstops/D1_CA2: C76.2 U2.35
/Stepper Driver & Endstops/D1_CB1: C82.2 U2.2
/Stepper Driver & Endstops/D1_CB2: C67.2 U2.43
/Stepper Driver & Endstops/D1_CPI: C80.2 U2.31
/Stepper Driver & Endstops/D1_CPO: C80.1 U2.32
/Stepper Driver & Endstops/D1_HA1: D42.4 R195.1 U2.41
/Stepper Driver & Endstops/D1_HA2: D43.6 R194.1 U2.36
/Stepper Driver & Endstops/D1_HAG1: D42.3 Q9.12 R195.2
/Stepper Driver & Endstops/D1_HAG2: D43.1 Q9.1 R194.2
/Stepper Driver & Endstops/D1_HB1: D45.4 R100.1 U2.1
/Stepper Driver & Endstops/D1_HB2: D44.6 R99.1 U2.44
/Stepper Driver & Endstops/D1_HBG1: D45.3 Q11.12 R100.2
/Stepper Driver & Endstops/D1_HBG2: D44.1 Q11.1 R99.2
/Stepper Driver & Endstops/D1_LA1: D42.6 R196.1 U2.39
/Stepper Driver & Endstops/D1_LA2: D43.4 R197.1 U2.38
/Stepper Driver & Endstops/D1_LAG1: D42.1 Q9.9 R196.2
/Stepper Driver & Endstops/D1_LAG2: D43.3 Q9.4 R197.2
/Stepper Driver & Endstops/D1_LB1: D45.6 R101.1 U2.47
/Stepper Driver & Endstops/D1_LB2: D44.4 R189.1 U2.46
/Stepper Driver & Endstops/D1_LBG1: D45.1 Q11.9 R101.2
/Stepper Driver & Endstops/D1_LBG2: D44.3 Q11.4 R189.2
/Stepper Driver & Endstops/D1_SRAG: NT4.1 R96.2
/Stepper Driver & Endstops/D1_SRAH: C69.2 R95.1 U2.8
/Stepper Driver & Endstops/D1_SRAL: C69.1 R96.1 U2.7
/Stepper Driver & Endstops/D1_SRAT: Q9.5 Q9.6 Q9.7 Q9.8 R95.2 R202.2
/Stepper Driver & Endstops/D1_SRBG: NT3.1 R80.2
/Stepper Driver & Endstops/D1_SRBH: C59.2 R79.1 U2.9
/Stepper Driver & Endstops/D1_SRBL: C59.1 R80.1 U2.10
/Stepper Driver & Endstops/D1_SRBT: Q11.5 Q11.6 Q11.7 Q11.8 R79.2 R204.2
/Stepper Driver & Endstops/D1_VCC: C57.2 R77.2 U2.29
/Stepper Driver & Endstops/D1_VCP: C78.1 U2.34
/Stepper Driver & Endstops/D2_5VOUT: C112.2 R206.1 U3.5